# Altium PCB IN-14辉光钟_PCB.PcbDoc (part 1 of 2)
Units mil, origin at the board's own origin, x right, y up, seen from the top; angles counter-clockwise.
Board outline 7883.4 x 2962.79 mil, 2 copper layers (Top Layer, Bottom Layer); 148 components, 171 nets, 658 pads, 217 vias.
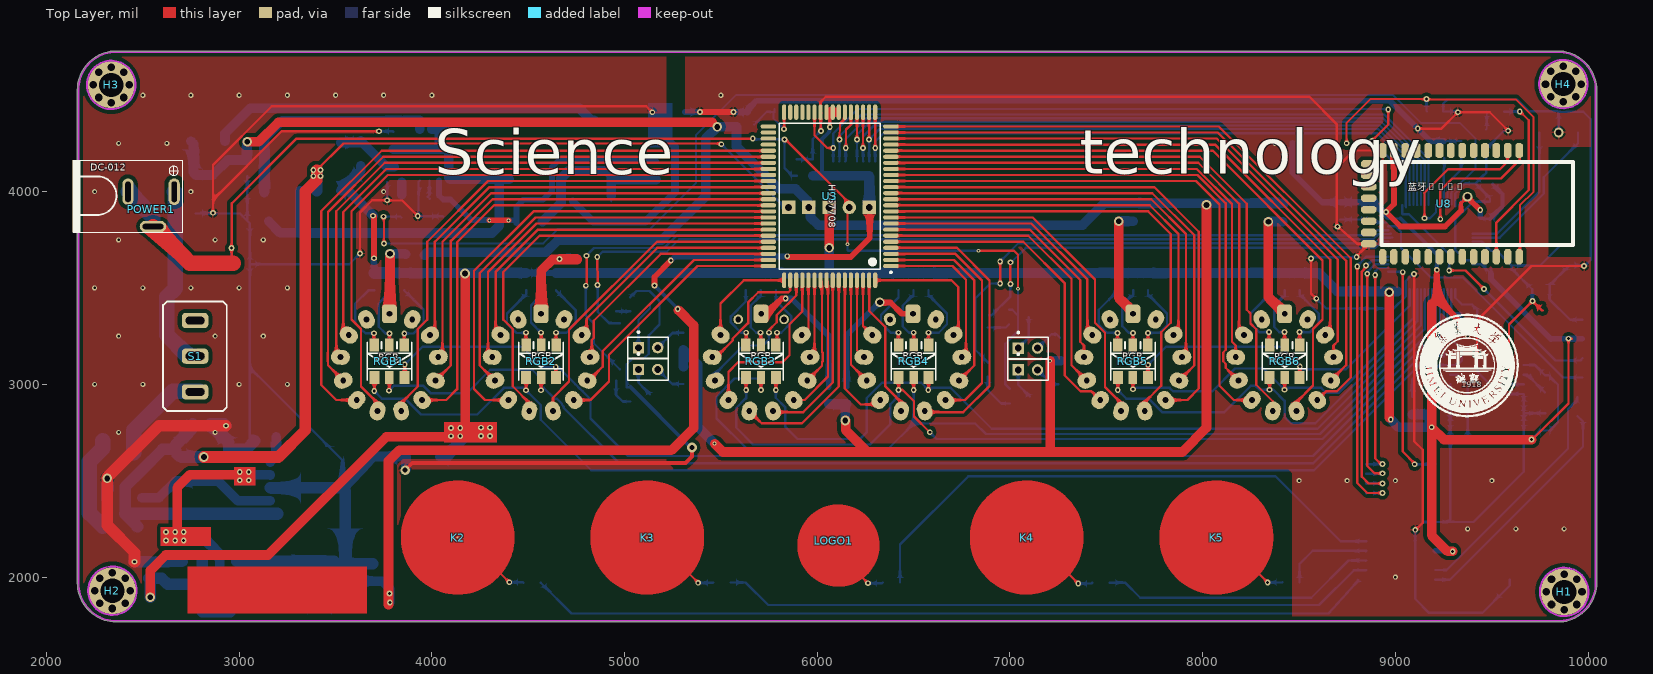
[diagram p0: Top Layer view]
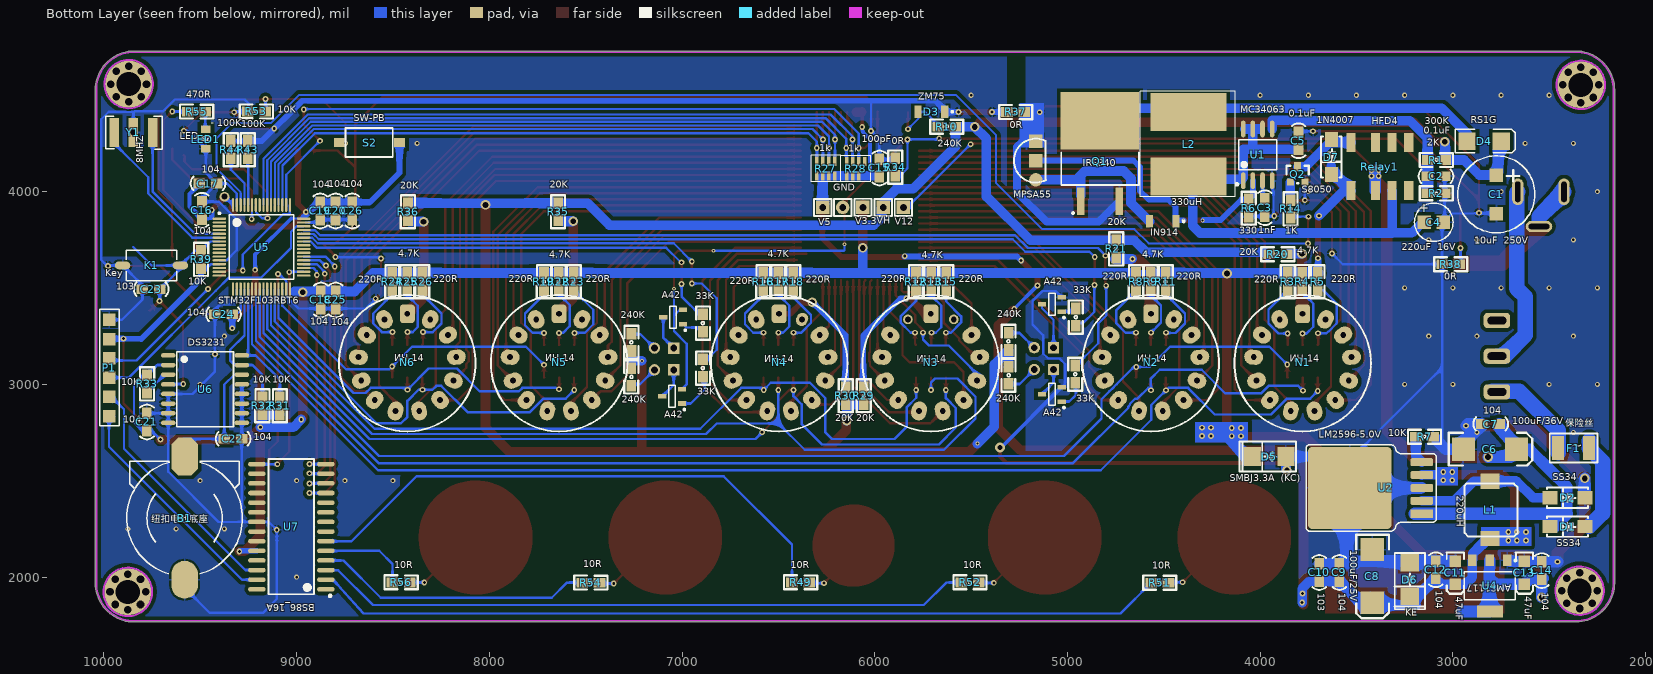
[diagram p1: Bottom Layer view, seen from below]
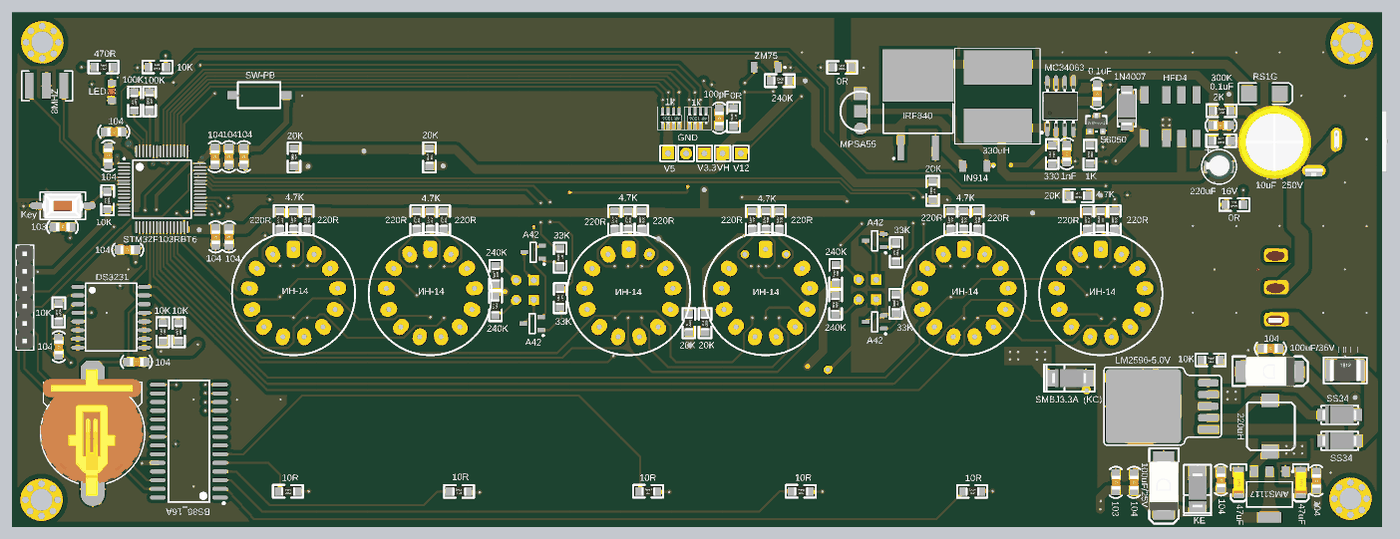
[diagram p3: 3D render of the assembled board from below, using the file's embedded part models]

## Layer stack, top to bottom
Top Solder: solder mask 0.4, Solder Resist, Dk 3.5
Top Layer: signal copper 1.4
Dielectric 1: dielectric 12.6, FR-4, Dk 4.8
Bottom Layer: signal copper 1.4
Bottom Solder: solder mask 0.4, Solder Resist, Dk 3.5

## Board outline
2160.99,1968.5 ccw(c2362.2,1968.5) 2359.72,1767.3 ccw(c2362.2,1771.65) 2362.2,1766.64 9842.52,1766.64 ccw(c9842.52,1968.5) 10044.39,1968.47 ccw(c10039.37,1968.5) 10044.39,1968.5 10044.39,4527.56 ccw(c10039.37,4527.56) 10044.39,4527.56 ccw(c10039.37,4527.56) 10044.39,4527.56 ccw(c9842.52,4527.56) 9842.52,4729.42 2362.2,4729.42 ccw(c2362.2,4724.41) 2362.04,4729.42 ccw(c2361.88,4724.41) 2361.87,4729.42 ccw(c2362.2,4528.2) 2160.99,4528.2 ccw(c2362.2,4528.2) 2160.99,4527.87 2160.99,4528.2

## Design rules (kind name [scope] priority, off if disabled: settings)
Clearance [All] p1: gap=7
ComponentClearance [All] p1: gap=0 collisioncheckmode=3 verticalgap=0 showdistances=FALSE
PolygonConnect [All] p1: connectstyle=Relief reliefconductorwidth=10 reliefentries=4 polygonreliefangle="90 Angle" airgapwidth=10
RoutingVias [All] p1: holewidth=28 width=50 viastyle="Through Hole" minholewidth=28 minwidth=50 maxholewidth=28 maxwidth=50
SolderMaskExpansion [All] p1: expansion=4
Width [All] p1: maxlimit=800 minlimit=10 preferedwidth=12 toplayer_maxwidth=787.4 minimp=50.000000 maximp=50.000000 favimp=50.000000
29 further rules are at their usual default settings.

## Classes and differential pairs
component class IN-14辉光钟_Sheet: 33K 240K *7 A42 B1 C1 C2 C3 C4 C5 C6 C7 C8 C9 C10 C11 C12 C13 C14 C15 C16 C17 C18 C19 C20 C21 C22 C23 C24 C25 C26 D1 D2 D3 D4 D5 D6 D7 DS2 F1 GND H1 H2 H3 H4 IN914 K1 K2 K3 K4 K5 L1 L2 LED1 LOGO1 MPSA55 N1 N2 N3 N4 N5 N6 P1 P3 POWER1 Q1 Q2 R1 R2 R3 R4 R5 R6 R7 R8 R9 R10 R11 R12 R13 R14 R15 R16 R17 R18 R19 R20 R21 R22 R23 R24 R25 R26 R27 R28 R29 R30 R31 R32 R33 R34 R35 R36 R37 R38 R39 R43 R44 R49 R51 R52 R53 R54 R55 R56 Relay1 RGB1 RGB2 RGB3 RGB4 RGB5 RGB6 S1 S2 U1 U2 U3 U4 U5 U6 U7 U8 V3.3 V5 V12 VH Y1

## Components (designator, comment, footprint, x,y, rotation, side; value= is the part's Value field where it differs from the comment)
33K "33K" 0805R 4960.14,3093.16 r270 bottom (schematic designator R48)
33K "33K" 0805R 4956,3308 r90 bottom (schematic designator R46)
33K "33K" 0805R 6892,3358 r270 bottom (schematic designator R42)
33K "33K" 0805R 6892,3125 r270 bottom (schematic designator R40)
240K "240K" 0805R 5304.8,3006.51 r90 bottom (schematic designator R50)
240K "240K" 0805R 5306.2,3263.49 r270 bottom (schematic designator R47)
240K "240K" 0805R 7263.2,3258.49 r270 bottom (schematic designator R45)
240K "240K" 0805R 7262,2998 r90 bottom (schematic designator R41)
A42 "A42" SOT-23-3L 5081,2948 r0 bottom (schematic designator Q6)
A42 "A42" SOT-23-3L 5081,3415 r0 bottom (schematic designator Q5)
A42 "A42" SOT-23-3L 7046,3349 r0 bottom (schematic designator Q4)
A42 "A42" SOT-23-3L 7051,2938 r0 bottom (schematic designator Q3)
B1 "纽扣电池底座" CR1220 9591,2306 r270 bottom locked
C1 "10uF  250V" RB.2.4 2774,4086 r270 bottom locked
C2 "0.1uF" 0805C 3047,4080 r0 bottom
C3 "1nF" 0805C 3976,3957 r270 bottom locked
C4 "220uF  16V" RB.1.2 3149,3841 r180 bottom locked
C5 "0.1uF" 0805C 3801,4304 r270 bottom
C6 "100uF/36V" TAJ-D 2945,2662 r180 bottom
C7 "104" 0805C 2844,2794 r180 bottom
C8 "100uF/25V" TAJ-D 3418,2142.59 r270 bottom
C9 "104" 0805C 3589,2064 r270 bottom
C10 "103" 0805C 3694,2064 r270 bottom locked
C11 "47uF" TAJ-A 2987,1962.69 r270 bottom
C12 "104" 0805C 3089,2078 r270 bottom
C13 "47uF" TAJ-A 2628.76,1962.69 r270 bottom
C14 "104" 0805C 2539,2074 r270 bottom
C15 "100pF" 0805C 5976,4163 r270 bottom locked
C16 "104" 0805C 9491,3863 r90 bottom
C17 "104" 0805C 9500,4042 r180 bottom
C18 "104" 0805C 8874,3478 r270 bottom
C19 "104" 0805C 8878,3940 r270 bottom
C20 "104" 0805C 8798,3940 r270 bottom
C21 "104" 0805C 9777,2845 r270 bottom
C22 "104" 0805C 9370,2717 r180 bottom
C23 "103" 0805C 9795.15,3493 r180 bottom
C24 "104" 0805C 9339,3364 r0 bottom
C25 "104" 0805C 8797,3478 r270 bottom
C26 "104" 0805C 8712,3940 r270 bottom
D1 "SS34" SMA/DO-214AC 2320.9,2263 r0 bottom
D2 "SS34" SMA/DO-214AC 2320.9,2413 r0 bottom
D3 "ZM75" LL-34 5706,4414 r0 bottom
D4 "RS1G" SMB 2838,4262 r180 bottom
D5 "SMBJ3.3A  (KC)" SMBJ 3866.6,2626.65 r270 bottom
D6 "KE" SMBJ 3225,2073 r180 bottom
D7 "1N4007" SMA/DO-214AC 3631,4263 r270 bottom
DS1 "Lamp Neon" PIN2 7043,3075 r0 top
DS2 "Lamp Neon" PIN2 7043,3188 r0 top
DS3 "Lamp Neon" PIN2 5072,3190 r0 top
DS4 "Lamp Neon" PIN2 5072,3077 r0 top
F1 "保险丝" 1812 2459,2669 r180 bottom
GND "测试点" "HEADER 1"#1 6161,3918 r180 bottom (schematic designator GND1)
H1 "M3定位孔" 定位孔 9876.22,1923.69 r0 top
H2 "M3定位孔" 定位孔 2343.22,1930.06 r0 top
H3 "M3定位孔" 定位孔 2336.85,4554.53 r0 top
H4 "M3定位孔" 定位孔 9872,4559 r0 top
IN914 "IN914" LL-34 4505.1,3845 r0 bottom (schematic designator D?)
K1 "Key" 贴片按键 9608.71,3619.8 r0 bottom locked
K2 "指纹图案" 指纹图案#1 4133.86,2204.72 r0 top locked
K3 "指纹图案" 指纹图案#2 5118.11,2204.72 r0 top
K4 "指纹图案" 指纹图案#2 7086.61,2204.72 r0 top
K5 "指纹图案" 指纹图案#2 8070.87,2204.72 r0 top
L1 "220uH" "电感 220uh" 2809,2495 r270 bottom
L2 "330uH" "电感 220uH(大)" 4368.63,4430.12 r90 bottom
LED1 "LED" 0805LED(RED) 9466,4320 r270 bottom
LOGO1 "电协LOGO" 电协LOGO 6102.36,2185.04 r0 top
LOGO? "JMU_LOGO" JMU_LOGO(1.35cm) 9374,3088 r0 top
MPSA55 "PNP" TO-92 5163,4060 r180 bottom (schematic designator Q?)
N1 "ИН-14" IN14#1 3779.53,3110.24 r0 bottom locked
N2 "ИН-14" IN14#1 4566.93,3110.24 r0 bottom locked
N3 "ИН-14" IN14#2 5708.66,3110.24 r0 bottom locked
N4 "ИН-14" IN14#3 6496.06,3110.24 r0 bottom locked
N5 "ИН-14" IN14#1 7637.8,3110.24 r0 bottom locked
N6 "ИН-14" IN14#1 8425.2,3110.24 r0 bottom locked
P1 "Header 6" "Header 6" 9972.02,2835.06 r0 bottom
POWER1 "DC-012" DC-005 2668,3994 r180 top
Q1 "IRF840" TO-263-2L 4831,4197.71 r90 bottom
Q2 "S8050" SOT-23 3840.48,4054.16 r180 bottom
R1 "300K" 0805R 3045,4165 r0 bottom
R2 "2K" 0805R 3127,3990 r180 bottom locked
R3 "220R" 0805R 3858.2,3573 r270 bottom
R4 "4.7K" 0805R 3782.2,3574 r270 bottom locked
R5 "220R" 0805R 3703,3573 r270 bottom
R6 "330" 0805R 4057.8,3873.51 r90 bottom
R7 "10K" 0805R 3106.51,2729.2 r0 bottom
R8 "220R" 0805R 4645.2,3573 r270 bottom
R9 "4.7K" 0805R 4569.2,3573 r270 bottom locked
R10 "240K" 0805R 5585.51,4338.2 r0 bottom
R11 "220R" 0805R 4491.41,3573 r270 bottom
R12 "220R" 0805R 5787.2,3573 r270 bottom
R13 "4.7K" 0805R 5708.2,3573 r270 bottom locked
R14 "1K" 0805R 3843,3951 r270 bottom
R15 "220R" 0805R 5630.41,3573 r270 bottom
R16 "220R" 0805R 6578.8,3573 r270 bottom
R17 "4.7K" 0805R 6500.8,3573 r270 bottom locked
R18 "220R" 0805R 6423,3573 r270 bottom
R19 "220R" 0805R 7717.41,3573 r270 bottom
R20 "20K" 0805R 3948.49,3673.8 r180 bottom
R21 "20K" 0805R 4748,3743 r270 bottom locked
R22 "4.7K" 0805R 7640.41,3573 r270 bottom locked
R23 "220R" 0805R 7562.41,3573 r270 bottom
R24 "220R" 0805R 8504,3573 r270 bottom
R25 "4.7K" 0805R 8427,3573 r270 bottom locked
R26 "220R" 0805R 8348,3573 r270 bottom
R27 "1k" 排阻(4位贴片)#1 6300.5,4083.41 r90 bottom
R28 "1k" 排阻(4位贴片)#2 6145,4083 r90 bottom locked
R29 "20K" 0805R 6056,2900.11 r90 bottom locked
R30 "20K" 0805R 6149,2900.11 r90 bottom locked
R31 "10K" 0805R 9088,2929 r270 bottom
R32 "10K" 0805R 9178.2,2929.49 r270 bottom locked
R33 "10K" 0805R 9775,2962 r90 bottom
R34 "0R" 0805R 5894.2,4167.49 r270 bottom
R35 "20K" 0805R 7644.2,3936 r270 bottom
R36 "20K" 0805R 8423,3936 r270 bottom
R37 "0R" 0805R 5309,4412 r180 bottom
R38 "0R" 0805R 3051.18,3622.05 r180 bottom
R39 "10K" 0805R 9494.8,3607.51 r90 bottom
R43 "100K" 0805R 9255,4258 r270 bottom locked
R44 "100K" 0805R 9340,4177 r90 bottom locked
R49 "10R" 0805R 6344,1973 r0 bottom
R51 "10R" 0805R 4480,1972 r0 bottom locked
R52 "10R" 0805R 5465,1973 r0 bottom
R53 "10K" 0805R 9249,4414.8 r180 bottom
R54 "10R" 0805R 7432.51,1972.2 r0 bottom
R55 "470R" 0805R 9478.51,4416.2 r0 bottom locked
R56 "10R" 0805R 8417,1973 r0 bottom
Relay1 "HFD4" HFD4 3527.98,4005 r180 bottom locked
RGB1 "RGB" 全彩LED 3854.53,3199.98 r270 top locked
RGB2 "RGB" 全彩LED 4641.93,3199.98 r270 top locked
RGB3 "RGB" 全彩LED 5782.68,3199.98 r270 top locked
RGB4 "RGB" 全彩LED 6574.8,3199.98 r270 top locked
RGB5 "RGB" 全彩LED 7712.8,3199.98 r270 top locked
RGB6 "RGB" 全彩LED 8500.2,3199.98 r270 top locked
S1 "钮子开关" 钮子开关（大） 2770,2964.96 r90 top locked
S2 "SW-PB" 贴片按键（红头） 8746,4179 r180 bottom
U1 "MC34063" SOW-8 4084,4139 r90 bottom locked
U2 "LM2596-5.0V" TO-263-5 3535,2465 r90 bottom locked
U3 "HV57708" HV57708PG 6064.24,3976.02 r180 top locked
U4 "AMS1117" SOT-223 2721,2088.13 r0 bottom locked
U5 "STM32F103RBT6" LQFP64_N 9182,3712 r180 bottom locked
U6 "DS3231" SOP16_75MM 9475,2975 r180 bottom locked
U7 "BS86_16A" LC-SOP-28_300mil 8949.38,1946.04 r90 bottom locked
U8 "蓝牙HC05" 蓝牙HC05 9472,3923 r270 top locked
V3.3 "测试点" "HEADER 1"#2 6061,3923 r90 bottom (schematic designator V1)
V5 "测试点" "HEADER 1"#2 6265,3918 r180 bottom (schematic designator V2)
V12 "测试点" "HEADER 1"#2 5846,3918 r180 bottom (schematic designator V3)
VH "测试点" "HEADER 1"#2 5951,3918 r180 bottom (schematic designator VH1)
Y1 "8MHZ" 三脚贴片8M晶振 9746.76,4309.36 r270 bottom

## Footprints (in the part's own frame and the unit in brackets; to place one, negate y for a bottom-side part, rotate by r counter-clockwise, add the part's x,y. Pads: shape width x height; smd on the part's side, far side on the other; paste and mask are expansions set on the pad)
0805C [mil]
  rect 60x50 smd: 1(-5,0) 2(85,0)
  silkscreen extent -50,-35 131,36, body extent -16,-26 102,29, height 37
0805LED(RED) [mil]
  rect 40x50 smd: 1(-2.98,-4.95) 2(97.02,-4.95)
  silkscreen extent -37,-25 70,31, body extent 13,-25 80,11, height 35
0805R [mil]
  rect 60x50 smd: 1(-4.51,1.2) 2(85.49,1.2)
  silkscreen extent -46,-36 126,37, body extent -1,-23 78,26, height 18
1812 [mm]
  rect 1.6x3.2 smd: 1(0.127,0) 2(4.227,0)
  silkscreen extent -0.97,-1.9 5.33,1.9, body extent -0.07,-1.6 4.43,1.6, height 1.6
CR1220 [mil]
  oct 196.85x137.79 smd: 1(-320,10)
  oval 196.85x137.79 smd: 2(320,10)
  silkscreen extent -295,-290 290,310, body extent -369,-290 359,300, height 165
DC-005 [mm]
  oval 1.5x3.5 hole 0.7 slot 2.7 at 90 deg: 1(0.127,-0.127) 2(6.223,-0.127)
  oval 3.5x1.5 hole 0.7 slot 2.7 at 0 deg: 3(2.921,4.445)
  silkscreen extent -1.02,-4.32 13.46,5.21, body extent -0.92,-4.27 13.68,5.26, height 10.92
"HEADER 1"#1 [mil]
  round 70 hole 35: 1(-5,0)
  silkscreen extent -50,-45 40,44, body extent -55,-50 45,50, height 336
"HEADER 1"#2 [mil]
  rect 70x70 hole 35: 1(-5,0)
  silkscreen extent -50,-45 40,44, body extent -55,-50 45,50, height 336
"Header 6" [mil]
  rect 65x65 smd: 1(-1.02,0.06) 2(-1.02,-99.94) 3(-1.02,-199.94) 4(-1.02,-299.94) 5(-1.02,-399.75) 6(-1.02,-499.75)
  silkscreen extent -51,-555 49,50, body extent -50,-554 50,46, height 336
HFD4 [mm]
  rect 1.2x2.5 smd: 1(0,0) 2(3.2,0) 3(5.4,0) 4(7.6,0) 5(7.6,6.35) 6(5.4,6.35) 7(3.2,6.35) 8(0,6.35)
HV57708PG [mm] "QFP, 80-Leads, Body 17.40x23.40mm, Pitch 0.80mm, IPC Medium Density"
  oval 2.05x0.55 smd: 1(-8.075,9.2) 2(-8.075,8.4) 3(-8.075,7.6) 4(-8.075,6.8) 5(-8.075,6) 6(-8.075,5.2) 7(-8.075,4.4) 8(-8.075,3.6) 9(-8.075,2.8) 10(-8.075,2) 11(-8.075,1.2) 12(-8.075,0.4) 13(-8.075,-0.4) 14(-8.075,-1.2) 15(-8.075,-2) 16(-8.075,-2.8) 17(-8.075,-3.6) 18(-8.075,-4.4) 19(-8.075,-5.2) 20(-8.075,-6) 21(-8.075,-6.8) 22(-8.075,-7.6) 23(-8.075,-8.4) 24(-8.075,-9.2) 41(8.075,-9.2) 42(8.075,-8.4) 43(8.075,-7.6) 44(8.075,-6.8) 45(8.075,-6) 46(8.075,-5.2) 47(8.075,-4.4) 48(8.075,-3.6) 49(8.075,-2.8) 50(8.075,-2) 51(8.075,-1.2) 52(8.075,-0.4) 53(8.075,0.4) 54(8.075,1.2) 55(8.075,2) 56(8.075,2.8) 57(8.075,3.6) 58(8.075,4.4) 59(8.075,5.2) 60(8.075,6) 61(8.075,6.8) 62(8.075,7.6) 63(8.075,8.4) 64(8.075,9.2)
  oval 0.55x2.05 smd: 25(-6,-11.075) 26(-5.2,-11.075) 27(-4.4,-11.075) 28(-3.6,-11.075) 29(-2.8,-11.075) 30(-2,-11.075) 31(-1.2,-11.075) 32(-0.4,-11.075) 33(0.4,-11.075) 34(1.2,-11.075) 35(2,-11.075) 36(2.8,-11.075) 37(3.6,-11.075) 38(4.4,-11.075) 39(5.2,-11.075) 40(6,-11.075) 65(6,11.075) 66(5.2,11.075) 67(4.4,11.075) 68(3.6,11.075) 69(2.8,11.075) 70(2,11.075) 71(1.2,11.075) 72(0.4,11.075) 73(-0.4,11.075) 74(-1.2,11.075) 75(-2,11.075) 76(-2.8,11.075) 77(-3.6,11.075) 78(-4.4,11.075) 79(-5.2,11.075) 80(-6,11.075)
  silkscreen extent -8.2,-9.65 6.65,10.15
IN14#1 [mm]
  rrect50% 2x2.5 hole 0.762: 1(0,-6.5)
  oval 2x2.5 hole 0.762 rot 152.31: 2(-3.021,-5.755)
  oval 2x2.5 hole 0.762 rot 124.62: 3(-5.349,-3.692)
  oval 2x2.5 hole 0.762 rot 96.92: 4(-6.453,-0.784)
  oval 2x2.5 hole 0.762 rot 69.23: 5(-6.078,2.305)
  oval 2x2.5 hole 0.762 rot 41.54: 6(-4.31,4.865)
  oval 2x2.5 hole 0.762 rot 13.85: 7(-1.556,6.311)
  oval 2x2.5 hole 0.762 rot 166.15: 8(1.555,6.311)
  oval 2x2.5 hole 0.762 rot 138.46: 9(4.31,4.866)
  oval 2x2.5 hole 0.762 rot 110.77: 10(6.077,2.305)
  oval 2x2.5 hole 0.762 rot 83.08: 11(6.453,-0.784)
  oval 2x2.5 hole 0.762 rot 55.38: 12(5.349,-3.692)
  oval 2x2.5 hole 0.762 rot 27.69: 13(3.021,-5.755)
  silkscreen extent -9,-9 9,9
IN14#2 [mm]
  rrect50% 2x2.5 hole 0.762: 1(0,-6.5)
  round 1.27 hole 0.762: 2(-3.021,-5.755) 13(3.021,-5.755)
  oval 2x2.5 hole 0.762 rot 124.62: 3(-5.349,-3.692)
  oval 2x2.5 hole 0.762 rot 96.92: 4(-6.453,-0.784)
  oval 2x2.5 hole 0.762 rot 69.23: 5(-6.078,2.305)
  oval 2x2.5 hole 0.762 rot 41.54: 6(-4.31,4.865)
  oval 2x2.5 hole 0.762 rot 13.85: 7(-1.556,6.311)
  oval 2x2.5 hole 0.762 rot 166.15: 8(1.555,6.311)
  oval 2x2.5 hole 0.762 rot 138.46: 9(4.31,4.866)
  oval 2x2.5 hole 0.762 rot 110.77: 10(6.077,2.305)
  oval 2x2.5 hole 0.762 rot 83.08: 11(6.453,-0.784)
  oval 2x2.5 hole 0.762 rot 55.38: 12(5.349,-3.692)
  silkscreen extent -9,-9 9,9
IN14#3 [mm]
  rrect50% 2x2.5 hole 0.762: 1(0,-6.5)
  oval 1.524x1.778 hole 0.762 rot 152.31: 2(-3.021,-5.755)
  oval 2x2.5 hole 0.762 rot 124.62: 3(-5.349,-3.692)
  oval 2x2.5 hole 0.762 rot 96.92: 4(-6.453,-0.784)
  oval 2x2.5 hole 0.762 rot 69.23: 5(-6.078,2.305)
  oval 2x2.5 hole 0.762 rot 41.54: 6(-4.31,4.865)
  oval 2x2.5 hole 0.762 rot 13.85: 7(-1.556,6.311)
  oval 2x2.5 hole 0.762 rot 166.15: 8(1.555,6.311)
  oval 2x2.5 hole 0.762 rot 138.46: 9(4.31,4.866)
  oval 2x2.5 hole 0.762 rot 110.77: 10(6.077,2.305)
  oval 2x2.5 hole 0.762 rot 83.08: 11(6.453,-0.784)
  oval 2x2.5 hole 0.762 rot 55.38: 12(5.349,-3.692)
  oval 2x2.5 hole 0.762 rot 27.69: 13(3.021,-5.755)
  silkscreen extent -9,-9 9,9
JMU_LOGO(1.35cm) [mil]
  silkscreen extent -270,-256 266,278
LC-SOP-28_300mil [mm]
  oval 0.6x2.3 smd: 1(-0.255,-2.575) 2(1.015,-2.575) 3(2.285,-2.575) 4(3.555,-2.575) 5(4.825,-2.575) 6(6.095,-2.575) 7(7.365,-2.575) 8(8.635,-2.575) 9(9.905,-2.575) 10(11.175,-2.575) 11(12.445,-2.575) 12(13.715,-2.575) 13(14.985,-2.575) 14(16.255,-2.575) 15(16.255,6.525) 16(14.985,6.525) 17(13.715,6.525) 18(12.445,6.525) 19(11.175,6.525) 20(9.905,6.525) 21(8.635,6.525) 22(7.365,6.525) 23(6.095,6.525) 24(4.825,6.525) 25(3.555,6.525) 26(2.285,6.525) 27(1.015,6.525) 28(-0.255,6.525)
  silkscreen extent -1.25,-3.27 16.9,4.98
LL-34 [mm]
  rect 0.95x1.65 smd: 1(-1.75,0) 2(1.75,0)
  silkscreen extent -2.87,-0.12 -2.62,0.12
LQFP64_N [mm] "Thin QFP, 64-Leads, Body 10x10mm, Pitch 0.5mm, IPC Medium Density"
  oval 1.8x0.3 smd: 1(-5.55,3.75) 2(-5.55,3.25) 3(-5.55,2.75) 4(-5.55,2.25) 5(-5.55,1.75) 6(-5.55,1.25) 7(-5.55,0.75) 8(-5.55,0.25) 9(-5.55,-0.25) 10(-5.55,-0.75) 11(-5.55,-1.25) 12(-5.55,-1.75) 13(-5.55,-2.25) 14(-5.55,-2.75) 15(-5.55,-3.25) 16(-5.55,-3.75) 33(5.55,-3.75) 34(5.55,-3.25) 35(5.55,-2.75) 36(5.55,-2.25) 37(5.55,-1.75) 38(5.55,-1.25) 39(5.55,-0.75) 40(5.55,-0.25) 41(5.55,0.25) 42(5.55,0.75) 43(5.55,1.25) 44(5.55,1.75) 45(5.55,2.25) 46(5.55,2.75) 47(5.55,3.25) 48(5.55,3.75)
  oval 0.3x1.8 smd: 17(-3.75,-5.55) 18(-3.25,-5.55) 19(-2.75,-5.55) 20(-2.25,-5.55) 21(-1.75,-5.55) 22(-1.25,-5.55) 23(-0.75,-5.55) 24(-0.25,-5.55) 25(0.25,-5.55) 26(0.75,-5.55) 27(1.25,-5.55) 28(1.75,-5.55) 29(2.25,-5.55) 30(2.75,-5.55) 31(3.25,-5.55) 32(3.75,-5.55) 49(3.75,5.55) 50(3.25,5.55) 51(2.75,5.55) 52(2.25,5.55) 53(1.75,5.55) 54(1.25,5.55) 55(0.75,5.55) 56(0.25,5.55) 57(-0.25,5.55) 58(-0.75,5.55) 59(-1.25,5.55) 60(-1.75,5.55) 61(-2.25,5.55) 62(-2.75,5.55) 63(-3.25,5.55) 64(-3.75,5.55)
  silkscreen extent -5.68,-4.25 4.25,4.57, body extent -5,-5 5,5, height 1.6
PIN2 [mm] "Photosensitive Diode; 2 Leads"
  rect 1.5x1.5 hole 0.9: 1(0,0)
  round 1.5 hole 0.9: 2(2.54,0)
  silkscreen extent -1.4,-1.4 3.94,2.17
RB.1.2 [mil]
  rect 70x70 smd: 1(0,0) 2(100,0)
  silkscreen extent -50,-100 150,100, body extent -28,-73 130,85, height 278
RB.2.4 [mil]
  rect 70x70 smd: 1(0,0) 2(200,0)
  silkscreen extent -100,-200 300,200, body extent -110,-219 316,207, height 512
SMA/DO-214AC [mm]
  rect 2x1.75 smd: 1(-0.178,0.025) 2(4.422,0.025)
  silkscreen extent -0.58,-1.32 4.82,1.38, body extent -0.38,-1.32 4.73,1.35, height 2.12
SMB [mm] "DO-214-AA/SMB; 2 C-Bend Leads; Body 5.3 x 3.6 mm, inc. leads (LxW)"
  rect 2.3x2.3 smd: 1(-2.25,0) 2(2.25,0)
  silkscreen extent -3.8,-1.55 4.1,1.55
SMBJ [mil] "TVS瞬态抑制二极管"
  rect 98x90 smd: 1(1.65,0.6) 2(1.65,-174.4)
  silkscreen extent -77,-240 80,52, body extent -50,-196 55,5, height 83
SOP16_75MM [mm]
  oval 1.9x0.6 smd: 1(-4.85,4.445) 2(-4.85,3.175) 3(-4.85,1.905) 4(-4.85,0.635) 5(-4.85,-0.635) 6(-4.85,-1.905) 7(-4.85,-3.175) 8(-4.85,-4.445) 9(4.85,-4.445) 10(4.85,-3.175) 11(4.85,-1.905) 12(4.85,-0.635) 13(4.85,0.635) 14(4.85,1.905) 15(4.85,3.175) 16(4.85,4.445)
  silkscreen extent -3.75,-4.95 3.75,4.95
SOT-23 [mil]
  rect 36x36 smd: 1(-2.52,-5.16) 2(72.48,-5.16)
  rect 36x50 smd: 3(35.48,74.84)
  silkscreen extent -23,-10 92,80, body extent -22,-18 92,92, height 47
SOT-23-3L [mm]
  rect 1.1x0.6 smd: 1(-1.3,0.95) 2(-1.3,-0.95) 3(1.3,0)
  silkscreen extent -1.72,-1.45 0.43,1.87
SOT-223 [mm]
  rect 1.1x1.55 smd: 1(-0.09,0.029) 2(2.21,0.029) 3(4.51,0.029)
  rect 3.45x1.55 smd: 4(2.21,6.779)
  silkscreen extent -1.29,-0.07 5.56,5.25, body extent -1.09,-0.53 5.51,6.83, height 0.8
SOW-8 [mm]
  oval 2.2x0.6 smd: 1(-2.078,0.092) 2(-2.078,-1.178) 3(-2.078,-2.448) 4(-2.078,-3.718) 5(4.722,-3.718) 6(4.722,-2.448) 7(4.722,-1.178) 8(4.722,0.092)
  silkscreen extent -2.73,-4.31 3.32,1.07, body extent -1.72,-4.35 4.32,0.67, height 1.6
TAJ-A [mil]
  rect 60x60 smd: 1(0,0) 2(-120,0)
  silkscreen extent -165,-45 49,45, body extent -125,-31 9,32, height 65
TAJ-D [mm]
  rect 3x3.1 smd: 1(7,0) 2(0,0)
  silkscreen extent -1.93,-2.11 9.07,2.21, body extent -0.07,-2.12 7.23,2.18, height 2.9
TO-92 [mil]
  rect 70x70 smd: 1(-1,101) 3(-1,201)
  round 70 smd: 2(-1,1)
  silkscreen extent -115,-13 51,215, body extent -101,-25 64,201, height 328
TO-263-2L [mm]
  rect 3.6x1 smd: 1(-6.3,2.54) 3(-6.3,-2.54)
  rect 7.6x10.4 smd: 2(4.3,0)
  silkscreen extent -7.97,-5.1 0.15,5.1
TO-263-5 [mm]
  rect 1.07x3 smd: 1(-3.47,-9.503)
  rrect50% 1.07x3 smd: 2(-1.77,-9.503) 3(-0.07,-9.503) 4(1.63,-9.503) 5(3.33,-9.503)
  rrect10% 10.8x11 smd: 6(-0.07,-0.003)
  silkscreen extent -5.77,-11.41 5.63,5.75, body extent -5.21,-9.55 5.02,4.8, height 4.48
三脚贴片8M晶振 [mm] "CSTCC8M00G53-RO"
  rect 3.8x1.27 smd: 1(0.06,-0.006) 2(0.06,-5.086) 3(0.06,-2.546)
  silkscreen extent -2.1,-6.18 2.24,1.26, body extent -1.72,-6.23 1.84,1.26, height 1.5
全彩LED [mm]
  rect 1.7x1.25 smd: 1(-0.118,0.07) 3(-0.118,-3.88)
  rect 1.7x1.1 smd: 2(-0.118,-1.905) 5(4.182,-1.905)
  rect 1.7x1.3 smd: 4(4.182,0.07) 6(4.182,-3.88)
  silkscreen extent -0.51,-4.83 4.53,1.02
定位孔 [mm]
  round 1 hole 1: 1(-2.368,-0.023) 1(-1.679,-1.685) 1(-1.679,1.638) 1(-0.018,-2.373) 1(-0.018,2.327) 1(1.644,-1.685) 1(1.644,1.638) 1(2.332,-0.023)
  round 6.2 hole 3.2: 1(-0.018,-0.023)
  Keep-Out Layer circle w0.254: c-0.018,-0.023 r3.2
指纹图案#1 [mil]
  round 10 smd: 1(0,0)
  Top Layer lines w354.33: 71.43,-94.06 cw(c0,0) 118.11,0 cw(c0,0) 71.43,-94.06
指纹图案#2 [mil]
  round 10 smd: 1(0,0)
  Top Layer circle w354.33: c0,0 r118.11
排阻(4位贴片)#1 [mm]
  rect 1.22x0.45 smd: 1(-0.051,0.013) 2(1.869,0.013) 3(-0.051,-0.787) 4(1.869,-0.787) 5(-0.051,-1.587) 6(1.869,-1.587) 7(-0.051,-2.387) 8(1.869,-2.387)
  silkscreen extent -0.81,-3.14 2.64,0.76, body extent 0.1,-2.79 1.7,0.41, height 0.59
排阻(4位贴片)#2 [mm]
  rect 1.22x0.45 smd: 1(-0.051,0.013) 2(1.869,0.013) 3(-0.051,-0.787) 4(1.869,-0.787) 5(-0.051,-1.587) 6(1.869,-1.587) 8(1.869,-2.387)
  silkscreen extent -0.81,-3.14 2.64,0.76, body extent 0.1,-2.79 1.7,0.41, height 0.59
电协LOGO [mm]
  round 0.2 smd: 1(-0.438,0.1)
  Top Layer circle w7.5: c0.172,-0.549 r1.665
  Top Layer region: -0.107,0.911 -0.761,0.079 -0.717,-0.168 0.324,-0.016 -0.082,-0.626 0.07,-0.626 1.01,0.467 -0.222,0.187 0.108,0.949
  Top Layer region: 0.172,4.327 -0.107,3.896 -4.476,-3.191 -4.273,-3.191 -1.25,-3.192 -1.2,-3.115 -1.368,-2.834 -1.454,-2.861 -3.765,-2.861 -3.079,-1.743 -3.13,-1.642 -3.943,-2.937 -1.403,-2.937 -1.288,-3.115 -4.324,-3.115 0.172,4.15 1.544,1.914 4.642,-3.115 2.61,-3.115 2.56,-3.191 4.795,-3.191 4.541,-2.785
  Top Layer region: -0.92,1.965 -0.565,2.499 0.172,3.718 4.261,-2.937 2.712,-2.937 2.763,-2.861 4.109,-2.861 0.172,3.565 -0.819,1.965
  Top Layer region: 1.442,2.219 1.848,2.219 3.601,-0.702 3.423,-1.007 3.372,-0.905 3.499,-0.702 1.798,2.143 1.493,2.143
  Top Layer region: -0.971,-2.861 0.807,-2.861 2.229,-2.861 2.204,-2.937 -0.971,-2.937
  Top Layer region: -0.819,-3.115 0.959,-3.115 2.128,-3.115 2.102,-3.191 -0.819,-3.191
  Top Layer region: -1.479,-3.572 -0.412,-3.572 1.01,-3.572 0.985,-3.648 -1.53,-3.648 -1.809,-3.166 -1.708,-3.191
  Top Layer region: 1.213,2.6 2.052,2.6 4.007,-0.753 3.626,-1.388 3.576,-1.286 3.906,-0.753 2.001,2.524 1.213,2.524
  Top Layer region: -0.895,2.6 -1.757,2.6 -3.689,-0.727 -2.38,-2.909 -2.317,-2.861 -3.587,-0.727 -1.708,2.524 -0.895,2.524
  Top Layer region: -2.114,1.965 -4.425,1.965 -2.825,-0.6 -2.774,-0.549 -4.273,1.889 -2.165,1.889
  Top Layer region: -2.228,1.711 -3.879,1.711 -2.647,-0.27 -2.571,-0.245 -3.727,1.635 -2.317,1.635
  Top Layer region: -1.098,1.66 -2.889,-1.273 -2.838,-1.349 -0.996,1.66
  Top Layer region: 2.788,-0.6 1.391,-2.873 1.417,-2.912 1.518,-2.861 2.839,-0.676
  Top Layer region: 2.991,-0.905 1.772,-2.886 1.874,-2.912 3.042,-0.981
  Top Layer region: 3.166,-1.266 1.798,-3.572 1.417,-3.572 1.391,-3.648 1.848,-3.648 3.245,-1.311
  Top Layer region: 3.398,-1.591 2.001,-3.953 1.163,-3.953 1.112,-4.029 2.052,-4.029 3.449,-1.692
  Top Layer region: -2.978,-0.346 -2.993,-0.254 -3.282,-0.727 -1.973,-2.909 -1.911,-2.861 -3.181,-0.727 -2.919,-0.329
  Top Layer region: -1.695,-3.953 -0.628,-3.953 0.794,-3.953 0.769,-4.029 -1.746,-4.029 -2.254,-3.14 -2.152,-3.166
  Top Layer region: -0.742,-4.029 -0.133,-5.02 0.179,-5.549 1.721,-3.14 1.62,-3.14 0.179,-5.375 -0.666,-3.978 -0.742,-4.004
  Top Layer region: -2.413,-0.636 -0.133,-4.385 0.179,-4.914 1.315,-3.14 1.213,-3.14 0.179,-4.74 -0.666,-3.343 -2.393,-0.524
  Top Layer region: -2.616,-0.94 -0.992,-3.61 -0.908,-3.61 -0.917,-3.57 -2.597,-0.829
  Top Layer region: 1.036,1.279 0.959,0.695 0.629,0.949 0.68,1 0.909,0.822 0.959,1.203 -1.047,0.949 -0.857,-0.918 0.959,-0.88 1.239,-0.499 -0.692,-0.753 -0.895,0.924 0.68,1 0.655,0.975 0.629,0.949 -0.819,0.873 -0.641,-0.676 1.264,-0.422 1.391,-0.397 0.985,-0.93 -0.92,-0.981 -1.123,1
  Top Layer region: -1.581,1.965 1.188,1.965 1.188,1.94 1.213,1.889 -1.631,1.889
  Top Layer region: -1.809,1.635 -1.758,1.711 1.315,1.711 1.366,1.635
  Top Layer region: -0.742,2.219 1.036,2.219 1.01,2.219 1.061,2.194 1.061,2.143 -0.793,2.143
  Top Layer region: -1.123,2.219 -1.53,2.219 -2.813,0.098 -2.749,0.035 -1.479,2.143 -1.174,2.143
  Top Layer region: 1.95,1.965 1.594,1.965 1.544,1.914 1.645,1.914 1.671,1.889 1.95,1.889
  Top Layer region: 2.128,1.711 1.772,1.711 1.721,1.66 1.798,1.635 1.823,1.635 1.848,1.635 2.128,1.635
  Top Layer region: -0.463,2.6 0.807,2.6 0.832,2.575 0.858,2.549 0.883,2.524 -0.514,2.524
  Top Layer region: 2.407,1.965 4.846,1.965 4.871,1.965 3.601,-0.067 3.537,-0.003 4.719,1.889 2.433,1.889
  Top Layer region: 1.848,1.711 4.287,1.711 4.312,1.711 3.372,0.213 3.347,0.34 4.16,1.635 1.874,1.635
  Top Layer region: 2.966,-0.295 3.118,-0.041 3.169,-0.092 3.169,-0.143 3.042,-0.346 2.991,-0.346
  Top Layer region: 3.169,-0.626 3.322,-0.372 3.372,-0.422 3.372,-0.473 3.245,-0.676 3.195,-0.676
"电感 220uh" [mm]
  rect 2x2.5 smd: 1(-0.048,0.065) 2(7.496,0.04)
  silkscreen extent 0.26,-3.31 7.25,3.69, body extent 0.2,-3.4 7.32,3.71, height 4
"电感 220uH(大)" [mm]
  rect 5x10 smd: 1(-0.444,0.06) 2(-8.944,0.06)
  silkscreen extent -11.62,-6.09 2.32,6.41, body extent -8.6,-3.28 -1.48,3.83, height 4
蓝牙HC05 [mm]
  oct 2x1 smd: 1(-7.366,4.318) 2(-7.366,2.818) 3(-7.366,1.318) 4(-7.366,-0.182) 5(-7.366,-1.682) 6(-7.366,-3.182) 7(-7.366,-4.682) 8(-7.366,-6.182) 9(-7.366,-7.682) 10(-7.366,-9.182) 11(-7.366,-10.682) 12(-7.366,-12.182) 13(-7.366,-13.682) 22(6.634,-13.682) 23(6.634,-12.182) 24(6.634,-10.682) 25(6.634,-9.182) 26(6.634,-7.682) 27(6.634,-6.182) 28(6.634,-4.682) 29(6.634,-3.182) 30(6.634,-1.682) 31(6.634,-0.182) 32(6.634,1.318) 33(6.634,2.818) 34(6.634,4.318)
  oct 1x2 smd: 14(-5.608,-15.494) 15(-4.101,-15.494) 16(-2.594,-15.494) 17(-1.087,-15.494) 18(0.421,-15.494) 19(1.928,-15.494) 20(3.435,-15.494) 21(4.942,-15.494)
  silkscreen extent -5.84,-13.84 5.08,11.43, body extent -7.38,-15.44 6.64,12.57, height 2.35
贴片按键 [mil]
  oval 80x40 smd: 1(-5.71,2.8) 2(294.29,2.8)
  silkscreen extent 14,-76 274,82, body extent 24,-69 264,77, height 98
贴片按键（红头） [mm]
  rect 1.5x1.2 smd: 1(-0.762,1.905) 2(7.112,1.905)
  silkscreen extent 0,0 6.22,3.81
钮子开关（大） [mm]
  rrect50% 2x3.5 hole 1 slot 2.5 at 90 deg: 1(-0.102,-0.025) 2(4.598,-0.025) 3(9.298,-0.025)
  silkscreen extent -2.64,-4.21 11.83,4.17, body extent -1.85,-6.06 10.85,5.8, height 28.19

## Part data
33K 33K 33K 33K 240K 240K 240K 240K R1 R2 R3 R4 R5 R6 R7 R8 R9 R10 R11 R12 R13 R14 R15 R16 R17 R18 R19 R20 R21 R22 R23 R24 R25 R26 R29 R30 R31 R32 R33 R34 R35 R36 R37 R38 R39 R43 R44 R49 R51 R52 R53 R54 R55 R56: library part Res, "电阻"
A42 A42 A42 A42: library part NPN, "NPN Bipolar Transistor"
C1 C4: library part Cap3, "直插极性电容"
C2 C3 C5 C7 C9 C10 C12 C14 C15 C16 C17 C18 C19 C20 C21 C22 C23 C24 C25 C26: library part Cap1, "无极贴片电容"
C6 C8 C11 C13: library part "Pol Cap", "极性贴片电容"
D1 D2 D5 D6 D7: library part Diode, "二极管"
D3 IN914: library part "Diode 11DQ03", "Schottky Rectifier"
D4: library part "D Schottky", "Schottky Diode"
DS1 DS2 DS3 DS4: "Neon Lamp"
F1: library part Fuse
K1: library part 轻触按键, "轻触开关"
L1 L2: library part L, "电感"
LED1: "发光二极管"
LOGO?: "LOGO"
MPSA55: "PNP三极管"
P1: "排针"
POWER1: library part DC-005, "电源插孔"
Q1: library part NMOS-2, "N-Channel Power MOSFET"
Q2: library part NPN, "NPN三极管"
R27 R28: library part Res-4, "排阻"
Relay1: library part Relay
RGB1 RGB2 RGB3 RGB4 RGB5 RGB6: library part 六脚全彩LED
S1: "大功率开关"
S2: "Switch"
U1: "12V电源芯片"
U2: library part LM2596, "5V电源芯片"
U4: library part AMS1117-3.3V/5.0V, "电源芯片"
U5: "STM32 ARM-based 32-bit MCU Performance Line with 128 kB Flash, 20 kB Internal RAM, -40 to +85癈 Temperature, 64-Pin LQFP, Tray"
Y1: library part XTAL三脚贴片晶振

## Free pads (board coordinates)
  round 10 hole 1: 2(6206,4270)

## Via types
v1: diameter 30, hole 15, Top Layer to Bottom Layer, tented both sides, 148 vias
v2: diameter 26, hole 13, Top Layer to Bottom Layer, tented both sides, 41 vias
v3: diameter 50, hole 30, Top Layer to Bottom Layer, tented both sides, 16 vias
v4: diameter 20, hole 10, Top Layer to Bottom Layer, 7 vias
v5: diameter 30, hole 16, Top Layer to Bottom Layer, tented both sides, 3 vias
v6: diameter 50, hole 25, Top Layer to Bottom Layer, 2 vias

## Nets (pads, with @x,y where several pads share a name; then routed paths per layer and width w, separated by ;. In a path a pad name is that pad's centre, name@x,y a point inside that pad or via, vN(x,y) a via of type N, cw(c..) or ccw(c..) an arc to the next point about the centre after c; other vN are vias at no path point)
AGND: A42.2@5029.82,2985.4 A42.2@5029.82,3452.4 C1.2 C2.1 C3.2 C4.2 C5.1 C6.2 C7.1 C8.2 C9.1 C10.1 C11.2 C12.1 C13.2 C14.1 D2.1 D5.1 D6.1 MPSA55.3 Q1.3 Q2.2 R2.2 R6.1 R7.1 R37.2 R38.1 U1.4 U2.3 U2.6 U4.1 | length 15879.6
  Top Layer w12: 2864,3953 v1(2864,3890) 2864,4138 3169.5,4443.5 5112.5,4443.5 v1(5144,4412) ; 2864,3957 3220,4313 v1(3725,4313) ; v1(3627,3679) 3627,3891 3691,3955 v1(3768,3955) ; v1@3768,3954 3846,3954 v1(3927,3873)
  Top Layer w20: v6(3861,2555) 3898,2592 5317,2592 5350,2625 v6(5350,2672)
  Top Layer w60: v1(2457,2079) 2457,2127 2316,2268 v3(2316,2512) 2316,2517 2584,2785 v1(2931,2785)
  Bottom Layer w12: U4.1@2709.45,2079 U4.1@2717.45,2087 ; C1.2@2774,3886 C1.2@2795,3886 ; v1(2864,3890) 2799,3890 C1.2@2795,3886 ; C2.1@3049,4073 C2.1@3042,4080 C4.2@3042,3848 ; R7.1@3080.7,2706.7 3055.69,2731.71 3055.69,3086.04 ; U2.6@3534.87,2462.25 3534.87,2606.87 3055.69,3086.04 ; v1(3627,3679) 3571.25,3623.25 R38.1@3055.69,3623.25 ; v1(3725,4313) 3797,4313 C5.1@3801,4309 ; v1(3768,3955) Q2.2@3768,4049 ; U1.4@3937.61,4057.2 3931,4050.59 3931,3872 C3.2@3976,3872 4056,3872 R6.1@4059,3869 ; A42.2@5029.82,2985.4 5011,2985.4 5011,3104 5041,3134 5100,3134 5125,3159 5125,3254 5181,3310 5181,3432 5129,3484 5061.42,3484 A42.2@5029.82,3452.4 ; v1(5144,4412) R37.2@5222.31,4412 ; C1.2@2795,3886 3004,3886 C4.2@3042,3848 ; C4.2@3042,3848 C4.2@3049,3841 3055.69,3834.31 R38.1@3055.69,3623.25 ; 3055.69,3086.04 R38.1@3055.69,3623.25
  Bottom Layer w20: A42.2@5029.82,2985.4 5341,2674.22 v6@5341,2669
  Bottom Layer w30: MPSA55.3@5164,4257 5164,4353.69 R37.2@5222.31,4412
  Bottom Layer w40: Q1.3@4731,3949.68 4837.68,3843 5108,3843 5262,3997 5262,4232 5237,4257 MPSA55.3@5164,4257
  Bottom Layer w50: C14.1@2539,2079 U4.1@2709.45,2079 ; U2.6@3534.87,2462.25 3697.61,2625 D5.1@3866,2625 3866,2560 v6(3861,2555)
  Bottom Layer w60: D2.1@2313.9,2412 2316,2414.1 v3(2316,2512) ; v1(2457,2079) C14.1@2539,2079 ; v1(2931,2785) 2922,2794 C7.1@2849,2794 2945,2698 C6.2@2945,2662 3036,2662 R7.1@3080.7,2706.7 ; C11.2@2987,2082.69 3492.31,2082.69 ; U2.3@3160.85,2462.25 U2.6@3534.87,2462.25 3551,2446.12 3551,2069 3506,2069 ; C9.1@3585.87,2072.13 C9.1@3589,2069 C10.1@3694,2069
  other v2: 2375,2750 2875,2750 2250,3000 2500,3000 3000,3000 3250,3000 2375,3250 2875,3250 3125,3250 2250,3500 2500,3500 2750,3500 3000,3500 3250,3500 2375,3750 2875,3750 3125,3750 2250,4000 2750,4000 3750,4000 2375,4250 2625,4250 2500,4500 2750,4500 3000,4500 3250,4500 3500,4500 3750,4500 4000,4500
BOOST_ONOFF: R14.2 U5.62 | length 6834.9
  Top Layer w10: v1(3749,3870) 3751,3868 v1(3751,3731)
  Bottom Layer w10: v1(3749,3870) 3837.31,3870 R14.2@3841.8,3865.51 ; 3768,3731 4579,3731 4653,3805 5131,3805 5370,4044 5370,4291.46 5580.54,4502 8987,4502 9134,4355 9336,4355 9416,4275 9416,4122 9292.05,3998.05 ; U5.62@9290.05,3932.28 9290.05,3998.05
BOOT0: R43.2 U5.60 | length 243.3
  Bottom Layer w12: U5.60@9250.9,3930.5 9250.8,3930.61 9250.8,4122 9253.8,4125 R43.2@9253.8,4172.51
BOOT1: R44.1 U5.61 | length 271.2
  Bottom Layer w12: U5.61@9270.58,3930.5 9270.58,4043.58 9341.2,4114.2 R44.1@9341.2,4172.49
BS86_SCK: P1.2 U7.26 | length 1239.6
  Bottom Layer w12: U7.26@9206.27,2036 9266,2036 9896,2666 9896,2871 9945,2920 P1.2@9945,2934.65
BS86_SDA: P1.1 U7.27 | length 1222.8
  Bottom Layer w12: U7.27@9206.27,1986 9283,1986 9973,2676 9973,2806.65 P1.1@9945,2834.65
DGND: B1.2 C15.1 C16.2 C17.2 C18.2 C19.2 C20.2 C21.1 C22.2 C23.1 C24.2 C25.2 C26.2 D3.1 K1.2 LED1.2 P1.6 R34.1 R37.1 R43.1 R44.2 R53.1 U3.34 U5.12 U5.18 U5.31 U5.47 U5.63 U6.5 U6.6 U6.7 U6.8 U6.9 U6.10 U6.11 U6.12 U6.13 U7.21 U8.13 U8.21 Y1.3 | length 19938.4
  Top Layer w12: v1@6018,4314 U3.34@6018,4408.05 ; U3.34@6021,4408.05 U3.34@6017,4412.05 6017,4465 6044,4492 8554,4492 8695,4351 8695,4254.54 ; v1(8562,3653) 8562,3472 v1(8589.5,3444.5) ; 8695,4330.46 8695,4254.54 ; 8700,4131 8788,4213 U8.13@8933.34,4213 ; v1(8799,3660) 8802,3663 8802,3668.43 U8.21@8862,3728.43 8803.57,3728.43 v1(8700,3818) 8695,3823 8695,4254.54 ; v1(9097,3573) 9097,2705 9142,2660 9142,2282 9104,2244 v1(9103,2245) ; v1(9116,4327) 9239,4327 v1(9324,4412) 9489,4412 v1(9585,4316) ; v1(9423,3156) 9423,3331 9706,3614 v1(9979,3614)
  Top Layer w30: v1(5391,4413) v1(5565,4413)
  Bottom Layer w12: D3.1@5641,4413 D3.1@5641,4429 ; R34.1@5894.2,4167.49 5975.49,4167.49 C15.1@5976,4168 5976,4273 v1@6021,4318 ; v1(6019,4314) 6019,4471 ; v1@6021,4314 6021,4335 ; v1(8562,3653) 8569,3660 v1(8799,3660) ; v1(8589.5,3444.5) 8641,3393 C25.2@8797,3393 C18.2@8874,3393 8990.13,3393 9053.27,3456.14 9053.27,3492.72 U5.31@9054.05,3493.5 9054.05,3536.05 9091,3573 v1(9097,3573) ; C26.2@8712,3855 C20.2@8798,3855 C19.2@8878,3855 8893.05,3839.95 U5.47@8951.8,3839.95 ; R53.1@9248.51,4416 9248.51,4456.51 9270,4478 9632,4478 9693.27,4416.73 9841.25,4416.73 9841.81,4416.18 ; R53.1@9253.51,4416 9320,4416 v1(9324,4412) ; R43.1@9253.8,4262.51 R44.2@9341.2,4262.49 ; U6.13@9284.06,3000 U6.12@9284.06,2950 U6.11@9284.06,2900 U6.10@9284.06,2850 U6.9@9284.06,2800 9284.06,2717.94 C22.2@9285,2717 9285,2299 9272,2286 ; U5.18@9309.95,3493.5 9309.95,3449.05 9345,3414 9397,3414 9424,3387 C24.2@9424,3364 9424,3066 9540,2950 U6.5@9665.94,2950 U6.6@9665.94,2900 U6.7@9665.94,2850 ; U5.63@9310.05,3924.83 9310.05,3939.74 9309.95,3939.83 9309.95,3990.5 9361.46,4042 C17.2@9415,4042 ; U5.12@9400.5,3643.1 9363.92,3643.1 9310.73,3696.3 9310.73,3855.33 9403.4,3948 C16.2@9491,3948 9491,3966 C17.2@9415,4042 ; v1(9585,4316) 9563.97,4316 LED1.2@9470.95,4222.98 9470.95,4097.95 C17.2@9415,4042 ; B1.2@9594,1987 9594,1957 9451,1814 9175,1814 9103,1886 v1(9103,2245) 9144,2286 U7.21@9206.27,2286 9272,2286 ; C21.1@9777,2850 U6.7@9665.94,2850 ; v3(9847,4307) 9847,4410.98 9841.81,4416.18 ; P1.6@9971,3334.8 9906.2,3334.8 9800.15,3440.85 C23.1@9800.15,3493 9800.15,3514.15 K1.2@9903,3617 9986,3617 10014,3645 10014,4376 9975.19,4414.81 9886.36,4414.81 9885.98,4414.43 9885.9,4414.43 9884.87,4413.4 9857.73,4413.4 9856.7,4414.43 9856.62,4414.43 9856.24,4414.81 9852.13,4414.81 9852.06,4414.88 9844.37,4414.88 9843.07,4416.18 9841.81,4416.18 ; 9272,2286 9405,2286 9665.94,2546.94 U6.8@9665.94,2800 U6.7@9665.94,2850
  Bottom Layer w30: R37.1@5313.51,4413.2 5390.8,4413.2 v1(5391,4413) ; v1(5565,4413) 5633,4413 5637,4409 D3.1@5641,4413 ; D3.1@5641.1,4429 5684.1,4472 8971,4472 9180.49,4262.51 R43.1@9253.8,4262.51
  other v2: 9000,2000 9375,2250 9625,2250 9875,2250 8500,2500 8750,2500 9000,2500 9500,2500 9500,3000 9375,3250 8375,4250 5500,4500
DOT1: 33K.1@6890.8,3129.51 U5.43 | length 2734.7
  Top Layer w12: v1(6949,3523) v1(6949,3638) v1@6954,3643
  Bottom Layer w12: 33K.1@6888.04,3110.96 6820,3179 6820,3446 6897,3523 v1(6949,3523) v1@6951,3525 ; v1(6949,3638) 7043,3732 8890.52,3732 8918.95,3760.43 8977.09,3760.43 8978.65,3761.99 U5.43@8983.34,3761.99
DOT2: 33K.1@6890.8,3362.51 U5.42 | length 2334
  Top Layer w12: v1(7002,3520) v1(7002,3633)
  Bottom Layer w12: 33K.1@6892,3358 6904,3358 7002,3456 v1(7002,3520) ; v1(7002,3633) 7007,3633 7082,3708 8893.39,3708 8926.14,3740.75 8962.81,3740.75 U5.42@8963.5,3741.43
DOT3: 33K.1@4957.2,3303.49 U5.44 | length 4591.6
  Top Layer w12: v1(4858,3661) v1(4860,3516)
  Bottom Layer w12: v1(4858,3661) 4885,3688 5219,3688 5284,3753 8884.65,3753 8911.77,3780.12 8969.9,3780.12 8971.46,3781.68 U5.44@8976.15,3781.68 ; v1(4860,3516) 4860,3377 4919.49,3317.51 33K.1@4974.8,3317.51
DOT4: 33K.1@4958.94,3097.68 U5.45 | length 4880
  Top Layer w12: v1(4799,3512) 4803,3516 v1(4803,3667)
  Bottom Layer w12: v1(4799,3512) 4799,3357.67 4840.55,3316.12 4840.55,3212.76 33K.1@4974.8,3078.51 ; v1(4803,3667) 4803,3669 4841,3707 5205,3707 5272,3774 8878.78,3774 8904.58,3799.8 8962.72,3799.8 U5.45@8963.5,3800.58
DS3221_SCL: R31.1 U5.21 U6.16 | length 648.7
  Bottom Layer w12: R31.1@9086.8,2935.51 9086.8,3024.8 9212,3150 9250.9,3150 U5.21@9250.9,3493.5
DS3221_SDA: R32.1 U5.20 U6.15 | length 713.8
  Bottom Layer w12: R32.1@9177,2934 9177,3048 9229,3100 U6.15@9284.06,3100 9321,3100 9345,3124 9345,3179 9270.58,3253.42 U5.20@9270.58,3493.5
GND: A42.2@6994.82,3386.4 A42.2@6999.82,2975.4 GND.1 POWER1.2 POWER1.3 R34.2 R38.2 | length 6688
  Top Layer w12: 2961,3665 2961,3939 3297,4275 v1(5665,4275) ; v1(5830,4271) 5835,4271 6160.43,3945.57 GND.1@6160.43,3935.12 ; v4(6157,3727) 6157,3907 GND.1@6166,3916 ; v4(6837,3693) 7021,3693 7042,3672 v4(7042,3496)
  Top Layer w80: POWER1.3@2553,3819 2743,3629 2970,3629
  Bottom Layer w12: v1(2960,3707) 2960,3628.94 R38.2@2965.69,3623.25 ; v1@5675,4274 5678,4271 v1(5830,4271) 5830,4122 5870,4082 R34.2@5893,4082 ; v4(6157,3727) 6157,3696 6160,3693 v4(6837,3693) ; A42.2@6994.82,3386.4 7011.6,3386.4 7042,3356 ; A42.2@6999.82,2975.4 6976,2999.22 6976,3210 7042,3276 7042,3356 ; v4(7042,3496) 7042,3356
  Bottom Layer w80: POWER1.2@2423,3999 2553,3869 POWER1.3@2553,3836.61
HV_CLK: R28.4 U3.30 U5.56 | length 3727.9
  Top Layer w12: v1(6115,4270) 6117.49,4352.41 6142.95,4376.37 U3.30@6143.97,4410 ; U3.30@6143,4409.03 U3.30@6143.97,4410 ; U3.30@6142.98,4412.05 U3.30@6144,4411.03 ; U3.30@6144,4410.03 U3.30@6144,4411.03 ; U3.30@6146,4409.03 U3.30@6144,4411.03 ; U3.30@6143.97,4410 U3.30@6144,4411.03
  Bottom Layer w12: R28.4@6114,4156.59 6115,4157.59 v1(6115,4270) ; v1@6116,4270 6116,4287 6229.49,4400.49 8941.95,4400.49 9172.16,4170.27 U5.56@9172.16,3930.5
HV_DIN1: R27.2 U3.25 U5.51 | length 3353.7
  Top Layer w12: U3.25@6300.46,4412.05 6300.46,4226.12 v1(6300.59,4226)
  Bottom Layer w12: R27.2@6300.99,4157 6300.59,4157.4 v1(6300.59,4226) 6300.59,4259.7 6344.05,4303 8905.08,4303 9073.14,4134.94 9073.14,3931.09 U5.51@9073.73,3930.5
HV_DIN2: R27.4 U3.26 U5.52 | length 3389.6
  Top Layer w12: v1(6268,4270) 6268.97,4270.97 U3.26@6268.97,4412.05
  Bottom Layer w12: R27.4@6269.5,4157 6269.5,4271.5 6322.49,4324.49 8910.47,4324.49 9093.42,4141.53 U5.52@9093.42,3930.5
HV_DIN3: R27.6 U3.27 U5.53 | length 3513.9
  Top Layer w12: v1(6237.5,4226) U3.27@6237.47,4412.05
  Bottom Layer w12: R27.6@6238,4157 6237.5,4157.5 6237.5,4271 6237.5,4286.5 6294.49,4343.49 8918.34,4343.49 9112.42,4149.4 9112.42,3931.19 U5.53@9113.1,3930.5
HV_DIN4: pad.2 R27.8 U3.28 U5.54 | length 3546
  Top Layer w12: v1(6206,4270) U3.28@6205.98,4412.05
  Bottom Layer w12: R27.8@6206.5,4157 6206,4157.5 v1(6206,4270) 6206,4295 6273.49,4362.49 8926.21,4362.49 9132.79,4155.9 U5.54@9132.79,3930.5
HV_LE: R28.2 U3.29 U5.55 | length 3691.1
  Top Layer w12: v1(6147.5,4226) 6149,4227.5 6149,4322 6174.48,4347.48 U3.29@6174.48,4412.05 U3.29@6175.5,4411.03 ; U3.29@6175,4410.53 U3.29@6175.5,4411.03 ; U3.29@6175.5,4410.53 U3.29@6175.5,4411.03 ; U3.29@6176,4410.53 U3.29@6175.5,4411.03
  Bottom Layer w12: R28.2@6145.5,4156.59 6147.5,4158.59 v1(6147.5,4226) 6147.5,4273.5 6255.49,4381.49 8934.08,4381.49 9152.47,4163.09 U5.55@9152.47,3930.5
HV_POL: R28.6 U3.35 U5.50 | length 3933
  Top Layer w12: U3.35@5985,4414.54 U3.35@5986,4413.54 ; U3.35@5987,4413.54 U3.35@5985.5,4412.05 5985.5,4292.5 6052,4226 v1(6083,4226) ; v1(8878.5,4263.5) 8963,4348 v1(8963,4426)
  Bottom Layer w12: R28.6@6082.5,4156.59 6083,4157.09 v1(6083,4226) 6083,4302 6210,4429 v1@8953.51,4429 ; v1(8878.5,4263.5) 9054.14,4087.86 9054.14,3923.22 9054.83,3922.54 U5.50@9054.83,3917.85
I\N\T\/SQW: R33.1 U6.3 | length 148.6
  Bottom Layer w12: U6.3@9665.94,3050 9683.69,3050 R33.1@9776.2,2957.49
KEY1: U5.38 U7.11 | length 1548.4
  Top Layer w12: v1(8802,3611.8) 8802,2488 8854,2436 v1(8933,2436)
  Bottom Layer w12: v1(8802,3611.8) 8802,3614.6 8850.19,3662.79 U5.38@8963.5,3662.79 ; U7.11@8850,2434 U7.11@8848,2436 v1(8933,2436)
KEY2: U5.37 U7.12 | length 1443.2
  Top Layer w12: v1(8848,3617) 8848,3607.6 8826,3585.6 8826,2520 8861,2485 v1(8933,2485)
  Bottom Layer w12: v1(8848,3617) 8852,3617 8878.1,3643.1 U5.37@8963.5,3643.1 ; U7.12@8850,2484 U7.12@8848,2486 v1@8933,2486 ; v1@8924,2486 v1@8925,2485
KEY3: U5.36 U7.13 | length 1316
  Top Layer w12: v1(8854,3574) 8854,2576 8892,2538 v1(8933,2538)
  Bottom Layer w12: U7.13@8848,2536 v1@8933,2536 ; v1(8854,3574) 8854,3583.4 8894.02,3623.42 U5.36@8963.5,3623.42 ; v1@8924,2536 v1@8926,2538
KEY4: U5.35 U7.14 | length 1181.9
  Top Layer w12: v1(8895,3567) 8895,2615 8924,2586 v1(8933,2586)
  Bottom Layer w12: U7.14@8848,2586 v1(8933,2586) ; v1(8895,3567) 8895,3586 8912.73,3603.73 U5.35@8963.5,3603.73
KEY5: U5.34 U7.15 | length 1203.5
  Top Layer w12: v1(9038,3582) 9038,2651 v1@9102,2587
  Bottom Layer w12: U5.34@8963.5,3584.05 9035.95,3584.05 v1(9038,3582) ; v1(9100,2585) 9205.27,2585 U7.15@9206.27,2586